# Altium PCB roach2.PcbDoc (part 14 of 39) (continued)
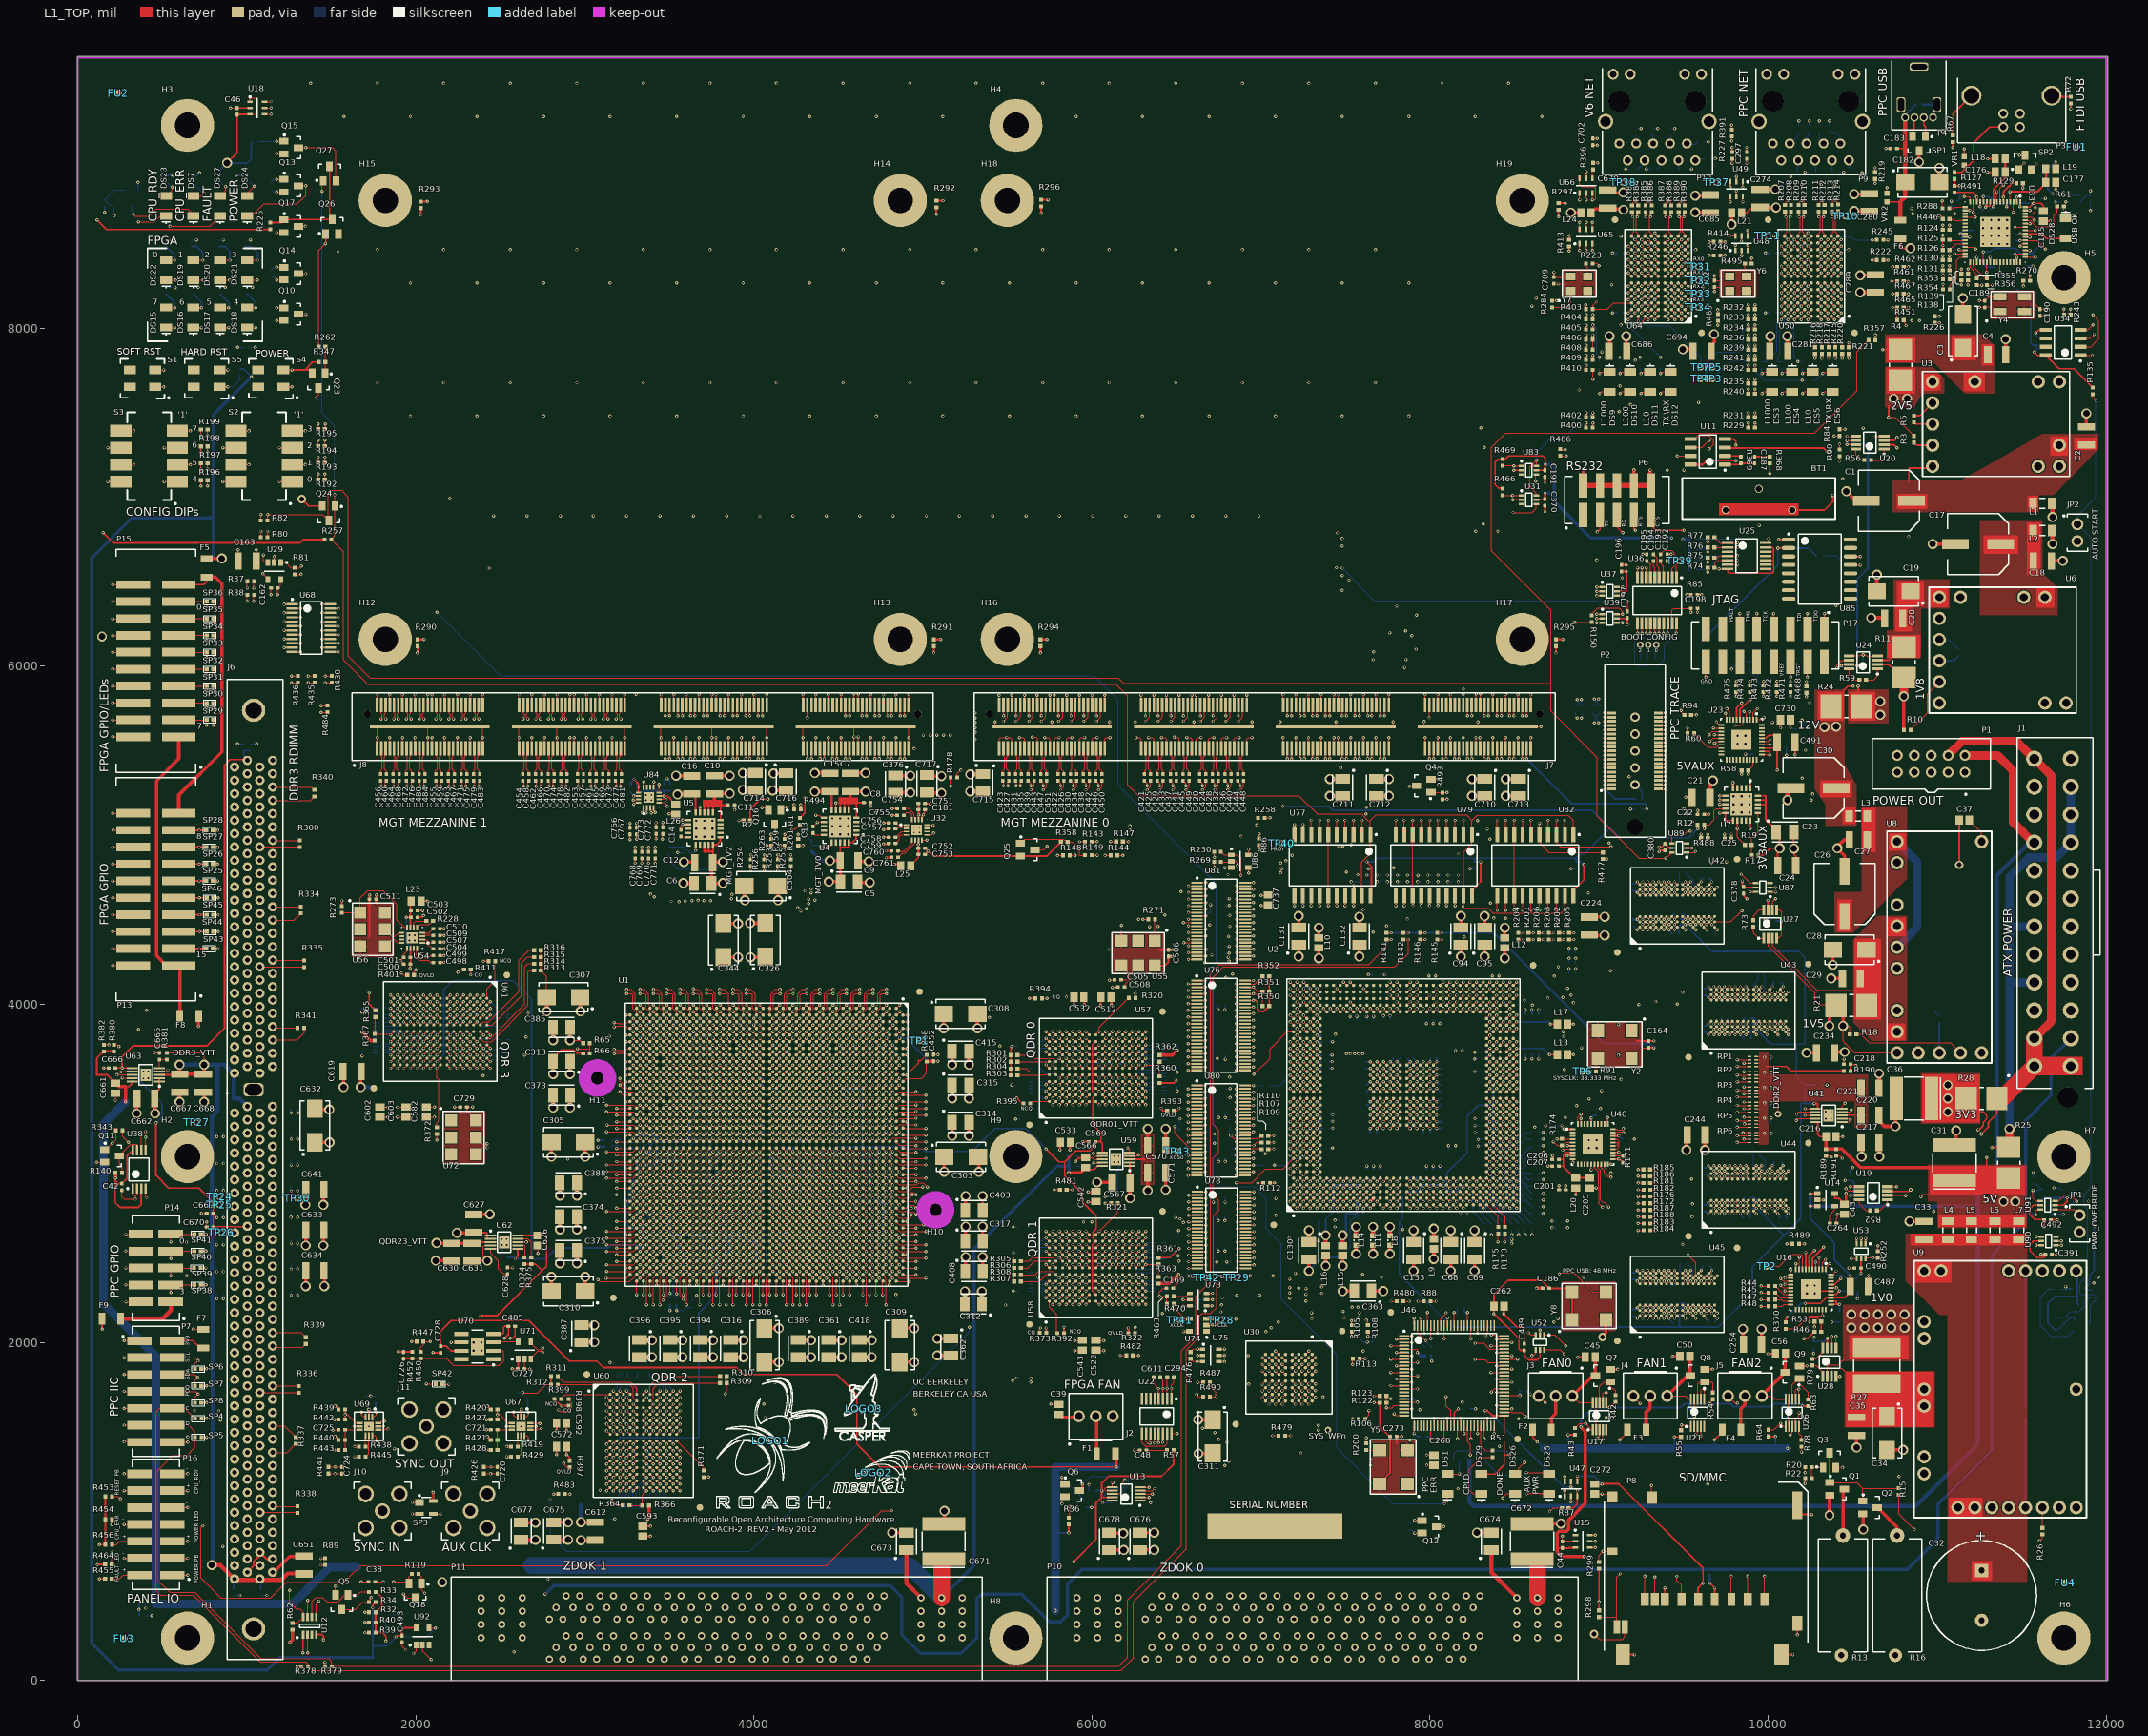
[diagram p0: L1_TOP view]
## Nets (pads, with @x,y where several pads share a name; then routed paths per layer and width w, separated by ;. In a path a pad name is that pad's centre, name@x,y a point inside that pad or via, vN(x,y) a via of type N, cw(c..) or ccw(c..) an arc to the next point about the centre after c; other vN are vias at no path point) (continued)
DDR3.DQ47: J6.216 U1.AY40 | length 3660
  L1_TOP w5: v1(3325.87,2419.72) U1.AY40@3345.56,2439.41
  L9_R w3.8: J6.216@1077.8,1545.35 1082.16,1540.99 1276.99,1540.99 1802.99,2066.99 1898.99,2066.99 ; v1(3325.87,2419.72) 3073.14,2166.99 3044.99,2166.99 2968.99,2090.99 2363.48,2090.99 2359.58,2087.09 2346.41,2087.09 2326.31,2066.99 2314,2066.99 2220.83,2066.99 ccw(c2220.83,2059.19) 2213.03,2059.19 2213.03,2048.81 cw(c2205.22,2048.81) 2205.22,2041.01 cw(c2205.22,2048.81) 2197.42,2048.81 2197.42,2066.99 2197.42,2075.17 ccw(c2189.61,2075.17) 2189.61,2082.98 ccw(c2189.61,2075.17) 2181.81,2075.17 2181.81,2074.8 cw(c2174,2074.8) 2174,2066.99 2045.99,2066.99 ; 1898.99,2066.99 ccw(c1898.99,2071.89) 1903.89,2071.89 ; 1898.99,2066.99 ccw(c1898.99,2071.89) 1903.89,2071.89 ; 1903.89,2071.89 1903.89,2087.11 ; 1903.89,2087.11 cw(c1908.79,2087.11) 1908.79,2092.01 ; 1903.89,2087.11 cw(c1908.79,2087.11) 1908.79,2092.01 ; 1908.79,2092.01 cw(c1908.79,2087.11) 1913.69,2087.11 ; 1908.79,2092.01 cw(c1908.79,2087.11) 1913.69,2087.11 ; 1913.69,2036.87 ccw(c1918.59,2036.87) 1918.59,2031.97 ; 1913.69,2036.87 ccw(c1918.59,2036.87) 1918.59,2031.97 ; 1913.69,2036.87 1913.69,2087.11 ; 1918.59,2031.97 ccw(c1918.59,2036.87) 1923.49,2036.87 1923.49,2087.11 ; 1923.49,2087.11 cw(c1928.39,2087.11) 1928.39,2092.01 ; 1923.49,2087.11 cw(c1928.39,2087.11) 1928.39,2092.01 ; 1928.39,2092.01 cw(c1928.39,2087.11) 1933.29,2087.11 ; 1928.39,2092.01 cw(c1928.39,2087.11) 1933.29,2087.11 ; 1933.29,2036.87 ccw(c1938.19,2036.87) 1938.19,2031.97 ; 1933.29,2036.87 ccw(c1938.19,2036.87) 1938.19,2031.97 ; 1933.29,2036.87 1933.29,2087.11 ; 1938.19,2031.97 ccw(c1938.19,2036.87) 1943.09,2036.87 1943.09,2087.11 ; 1943.09,2087.11 cw(c1947.99,2087.11) 1947.99,2092.01 ; 1943.09,2087.11 cw(c1947.99,2087.11) 1947.99,2092.01 ; 1947.99,2092.01 cw(c1947.99,2087.11) 1952.89,2087.11 ; 1947.99,2092.01 cw(c1947.99,2087.11) 1952.89,2087.11 ; 1952.89,2036.87 ccw(c1957.79,2036.87) 1957.79,2031.97 ; 1952.89,2036.87 ccw(c1957.79,2036.87) 1957.79,2031.97 ; 1952.89,2036.87 1952.89,2087.11 ; 1957.79,2031.97 ccw(c1957.79,2036.87) 1962.69,2036.87 1962.69,2087.11 ; 1962.69,2087.11 cw(c1967.59,2087.11) 1967.59,2092.01 ; 1962.69,2087.11 cw(c1967.59,2087.11) 1967.59,2092.01 ; 1967.59,2092.01 cw(c1967.59,2087.11) 1972.49,2087.11 ; 1967.59,2092.01 cw(c1967.59,2087.11) 1972.49,2087.11 ; 1972.49,2036.87 ccw(c1977.39,2036.87) 1977.39,2031.97 ; 1972.49,2036.87 ccw(c1977.39,2036.87) 1977.39,2031.97 ; 1972.49,2036.87 1972.49,2087.11 ; 1977.39,2031.97 ccw(c1977.39,2036.87) 1982.29,2036.87 1982.29,2087.11 ; 1982.29,2087.11 cw(c1987.19,2087.11) 1987.19,2092.01 ; 1982.29,2087.11 cw(c1987.19,2087.11) 1987.19,2092.01 ; 1987.19,2092.01 cw(c1987.19,2087.11) 1992.09,2087.11 ; 1987.19,2092.01 cw(c1987.19,2087.11) 1992.09,2087.11 ; 1992.09,2036.87 ccw(c1996.99,2036.87) 1996.99,2031.97 ; 1992.09,2036.87 ccw(c1996.99,2036.87) 1996.99,2031.97 ; 1992.09,2036.87 1992.09,2087.11 ; 1996.99,2031.97 ccw(c1996.99,2036.87) 2001.89,2036.87 2001.89,2087.11 ; 2001.89,2087.11 cw(c2006.79,2087.11) 2006.79,2092.01 ; 2001.89,2087.11 cw(c2006.79,2087.11) 2006.79,2092.01 ; 2006.79,2092.01 cw(c2006.79,2087.11) 2011.69,2087.11 ; 2006.79,2092.01 cw(c2006.79,2087.11) 2011.69,2087.11 ; 2011.69,2036.87 ccw(c2016.59,2036.87) 2016.59,2031.97 ; 2011.69,2036.87 ccw(c2016.59,2036.87) 2016.59,2031.97 ; 2011.69,2036.87 2011.69,2087.11 ; 2016.59,2031.97 ccw(c2016.59,2036.87) 2021.49,2036.87 2021.49,2087.11 ; 2021.49,2087.11 cw(c2026.39,2087.11) 2026.39,2092.01 ; 2021.49,2087.11 cw(c2026.39,2087.11) 2026.39,2092.01 ; 2026.39,2092.01 cw(c2026.39,2087.11) 2031.29,2087.11 ; 2026.39,2092.01 cw(c2026.39,2087.11) 2031.29,2087.11 ; 2031.29,2036.87 ccw(c2036.19,2036.87) 2036.19,2031.97 ; 2031.29,2036.87 ccw(c2036.19,2036.87) 2036.19,2031.97 ; 2031.29,2036.87 2031.29,2087.11 ; 2036.19,2031.97 ccw(c2036.19,2036.87) 2041.09,2036.87 2041.09,2062.09 ; 2041.09,2062.09 cw(c2045.99,2062.09) 2045.99,2066.99 ; 2041.09,2062.09 cw(c2045.99,2062.09) 2045.99,2066.99
DDR3.DQ48: J6.99 U1.BA42 | length 3939
  L1_TOP w5: v2(3306.19,2281.93) U1.BA42@3306.19,2360.67
  L3_S w3.8: J6.99@1002.99,1427.24 1045.24,1427.24 1051.15,1433.15 1101.15,1433.15 1132.99,1464.99 1176.99,1464.99 1196.99,1484.99 1196.99,1502.99 1824.99,2130.99 1988.99,2130.99 ; v2(3306.19,2281.93) 3306.19,2228.19 3136.99,2058.99 2664.99,2058.99 2592.99,2130.99 2438,2130.99 2303.22,2130.99 cw(c2303.22,2138.8) 2295.42,2138.8 2295.42,2169.39 ccw(c2287.61,2169.39) 2287.61,2177.19 ccw(c2287.61,2169.39) 2279.81,2169.39 2279.81,2138.8 cw(c2272,2138.8) 2272,2130.99 2226,2130.99 2171.2,2130.99 cw(c2171.2,2136.89) 2165.3,2136.89 2165.3,2157.71 ccw(c2159.4,2157.71) 2159.4,2163.61 ccw(c2159.4,2157.71) 2153.5,2157.71 2153.5,2136.89 cw(c2147.6,2136.89) 2147.6,2130.99 cw(c2147.6,2136.89) 2141.7,2136.89 2141.7,2157.71 ccw(c2135.8,2157.71) 2135.8,2163.61 ccw(c2135.8,2157.71) 2129.9,2157.71 2129.9,2136.89 cw(c2124,2136.89) 2124,2130.99 2106.59,2130.99 ; 1988.99,2130.99 ccw(c1988.99,2135.89) 1993.89,2135.89 ; 1988.99,2130.99 ccw(c1988.99,2135.89) 1993.89,2135.89 ; 1993.89,2135.89 1993.89,2164.93 ; 1993.89,2164.93 cw(c1998.79,2164.93) 1998.79,2169.83 ; 1993.89,2164.93 cw(c1998.79,2164.93) 1998.79,2169.83 ; 1998.79,2169.83 cw(c1998.79,2164.93) 2003.69,2164.93 ; 1998.79,2169.83 cw(c1998.79,2164.93) 2003.69,2164.93 ; 2003.69,2100.85 ccw(c2008.59,2100.85) 2008.59,2095.95 ; 2003.69,2100.85 ccw(c2008.59,2100.85) 2008.59,2095.95 ; 2003.69,2100.85 2003.69,2164.93 ; 2008.59,2095.95 ccw(c2008.59,2100.85) 2013.49,2100.85 2013.49,2164.93 ; 2013.49,2164.93 cw(c2018.39,2164.93) 2018.39,2169.83 ; 2013.49,2164.93 cw(c2018.39,2164.93) 2018.39,2169.83 ; 2018.39,2169.83 cw(c2018.39,2164.93) 2023.29,2164.93 ; 2018.39,2169.83 cw(c2018.39,2164.93) 2023.29,2164.93 ; 2023.29,2100.85 ccw(c2028.19,2100.85) 2028.19,2095.95 ; 2023.29,2100.85 ccw(c2028.19,2100.85) 2028.19,2095.95 ; 2023.29,2100.85 2023.29,2164.93 ; 2028.19,2095.95 ccw(c2028.19,2100.85) 2033.09,2100.85 2033.09,2164.93 ; 2033.09,2164.93 cw(c2037.99,2164.93) 2037.99,2169.83 ; 2033.09,2164.93 cw(c2037.99,2164.93) 2037.99,2169.83 ; 2037.99,2169.83 cw(c2037.99,2164.93) 2042.89,2164.93 ; 2037.99,2169.83 cw(c2037.99,2164.93) 2042.89,2164.93 ; 2042.89,2100.85 ccw(c2047.79,2100.85) 2047.79,2095.95 ; 2042.89,2100.85 ccw(c2047.79,2100.85) 2047.79,2095.95 ; 2042.89,2100.85 2042.89,2164.93 ; 2047.79,2095.95 ccw(c2047.79,2100.85) 2052.69,2100.85 2052.69,2164.93 ; 2052.69,2164.93 cw(c2057.59,2164.93) 2057.59,2169.83 ; 2052.69,2164.93 cw(c2057.59,2164.93) 2057.59,2169.83 ; 2057.59,2169.83 cw(c2057.59,2164.93) 2062.49,2164.93 ; 2057.59,2169.83 cw(c2057.59,2164.93) 2062.49,2164.93 ; 2062.49,2100.85 ccw(c2067.39,2100.85) 2067.39,2095.95 ; 2062.49,2100.85 ccw(c2067.39,2100.85) 2067.39,2095.95 ; 2062.49,2100.85 2062.49,2164.93 ; 2067.39,2095.95 ccw(c2067.39,2100.85) 2072.29,2100.85 2072.29,2164.93 ; 2072.29,2164.93 cw(c2077.19,2164.93) 2077.19,2169.83 ; 2072.29,2164.93 cw(c2077.19,2164.93) 2077.19,2169.83 ; 2077.19,2169.83 cw(c2077.19,2164.93) 2082.09,2164.93 ; 2077.19,2169.83 cw(c2077.19,2164.93) 2082.09,2164.93 ; 2082.09,2100.85 ccw(c2086.99,2100.85) 2086.99,2095.95 ; 2082.09,2100.85 ccw(c2086.99,2100.85) 2086.99,2095.95 ; 2082.09,2100.85 2082.09,2164.93 ; 2086.99,2095.95 ccw(c2086.99,2100.85) 2091.89,2100.85 2091.89,2164.93 ; 2091.89,2164.93 cw(c2096.79,2164.93) 2096.79,2169.83 ; 2091.89,2164.93 cw(c2096.79,2164.93) 2096.79,2169.83 ; 2096.79,2169.83 cw(c2096.79,2164.93) 2101.69,2164.93 ; 2096.79,2169.83 cw(c2096.79,2164.93) 2101.69,2164.93 ; 2101.69,2135.89 ccw(c2106.59,2135.89) 2106.59,2130.99 ; 2101.69,2135.89 ccw(c2106.59,2135.89) 2106.59,2130.99 ; 2101.69,2135.89 2101.69,2164.93
DDR3.DQ49: J6.100 U1.AW41 | length 3940
  L1_TOP w5: v2(3365.24,2222.87) 3365.24,2380.35 U1.AW41@3384.93,2400.04
  L3_S w3.8: J6.100@928.19,1387.87 1030.48,1387.87 1063.94,1421.33 1091.66,1421.33 1119.2,1393.78 1177.78,1393.78 1822.99,2038.99 1862.99,2038.99 ; 1887.49,2038.99 1887.49,2007.08 ; 1907.09,2038.99 1907.09,2007.08 ; v2(3365.24,2222.87) 3107.36,1964.99 2832.99,1964.99 2790.99,2006.99 2622.99,2006.99 2587.98,2042 2239.99,2042 2236.98,2038.99 2194.83,2038.99 ccw(c2194.83,2031.19) 2187.03,2031.19 2187.03,2001.34 cw(c2179.22,2001.34) 2179.22,1993.54 cw(c2179.22,2001.34) 2171.42,2001.34 2171.42,2031.19 ccw(c2163.61,2031.19) 2163.61,2038.99 2155.81,2038.99 2148,2038.99 2073.4,2038.99 ccw(c2073.4,2033.09) 2067.5,2033.09 2067.5,2006.67 cw(c2061.6,2006.67) 2061.6,2000.77 cw(c2061.6,2006.67) 2055.7,2006.67 2055.7,2044.89 ccw(c2049.8,2044.89) 2049.8,2050.79 ccw(c2049.8,2044.89) 2043.9,2044.89 cw(c2038,2044.89) 2038,2038.99 1951.19,2038.99 ; 1862.99,2038.99 ccw(c1862.99,2043.89) 1867.89,2043.89 ; 1862.99,2038.99 ccw(c1862.99,2043.89) 1867.89,2043.89 ; 1867.89,2043.89 1867.89,2070.91 ; 1867.89,2070.91 cw(c1872.79,2070.91) 1872.79,2075.81 ; 1867.89,2070.91 cw(c1872.79,2070.91) 1872.79,2075.81 ; 1872.79,2075.81 cw(c1872.79,2070.91) 1877.69,2070.91 ; 1872.79,2075.81 cw(c1872.79,2070.91) 1877.69,2070.91 ; 1877.69,2007.08 ccw(c1882.59,2007.08) 1882.59,2002.18 ; 1877.69,2007.08 ccw(c1882.59,2007.08) 1882.59,2002.18 ; 1877.69,2007.08 1877.69,2070.91 ; 1882.59,2002.18 ccw(c1882.59,2007.08) 1887.49,2007.08 ; 1887.49,2007.08 1887.49,2070.91 ; 1887.49,2070.91 cw(c1892.39,2070.91) 1892.39,2075.81 ; 1887.49,2070.91 cw(c1892.39,2070.91) 1892.39,2075.81 ; 1892.39,2075.81 cw(c1892.39,2070.91) 1897.29,2070.91 ; 1892.39,2075.81 cw(c1892.39,2070.91) 1897.29,2070.91 ; 1897.29,2007.08 ccw(c1902.19,2007.08) 1902.19,2002.18 ; 1897.29,2007.08 ccw(c1902.19,2007.08) 1902.19,2002.18 ; 1897.29,2007.08 1897.29,2070.91 ; 1902.19,2002.18 ccw(c1902.19,2007.08) 1907.09,2007.08 ; 1907.09,2007.08 1907.09,2070.91 ; 1907.09,2070.91 cw(c1911.99,2070.91) 1911.99,2075.81 ; 1907.09,2070.91 cw(c1911.99,2070.91) 1911.99,2075.81 ; 1911.99,2075.81 cw(c1911.99,2070.91) 1916.89,2070.91 ; 1911.99,2075.81 cw(c1911.99,2070.91) 1916.89,2070.91 ; 1916.89,2007.08 ccw(c1921.79,2007.08) 1921.79,2002.18 ; 1916.89,2007.08 ccw(c1921.79,2007.08) 1921.79,2002.18 ; 1916.89,2007.08 1916.89,2070.91 ; 1921.79,2002.18 ccw(c1921.79,2007.08) 1926.69,2007.08 1926.69,2070.91 ; 1926.69,2070.91 cw(c1931.59,2070.91) 1931.59,2075.81 ; 1926.69,2070.91 cw(c1931.59,2070.91) 1931.59,2075.81 ; 1931.59,2075.81 cw(c1931.59,2070.91) 1936.49,2070.91 ; 1931.59,2075.81 cw(c1931.59,2070.91) 1936.49,2070.91 ; 1936.49,2007.08 ccw(c1941.39,2007.08) 1941.39,2002.18 ; 1936.49,2007.08 ccw(c1941.39,2007.08) 1941.39,2002.18 ; 1936.49,2007.08 1936.49,2070.91 ; 1941.39,2002.18 ccw(c1941.39,2007.08) 1946.29,2007.08 1946.29,2034.09 ; 1946.29,2034.09 cw(c1951.19,2034.09) 1951.19,2038.99 ; 1946.29,2034.09 cw(c1951.19,2034.09) 1951.19,2038.99
DDR3.DQ50: J6.105 U1.AU39 | length 3940
  L1_TOP w5: v1(3443.98,2459.09) U1.AU39@3463.67,2478.78
  L3_S w3.8: J6.105@1002.99,1191.02 1002.99,1202.91 1069.08,1268.99 1106.05,1268.99 1138.74,1236.3 1166.46,1236.3 1186.06,1255.9 1186.06,1256.06 1482.99,1552.99 1488.99,1552.99 1544.99,1608.99 1544.99,1624.99 1808.99,1888.99 1920,1888.99 ccw(c1920,1896.8) 1927.81,1896.8 1927.81,1899.34 cw(c1935.61,1899.34) 1935.61,1907.14 cw(c1935.61,1899.34) 1943.42,1899.34 1943.42,1888.99 1943.42,1875.45 ccw(c1951.22,1875.45) 1951.22,1867.64 ccw(c1951.22,1875.45) 1959.03,1875.45 1959.03,1888.99 1959.03,1899.34 cw(c1966.83,1899.34) 1966.83,1907.14 cw(c1966.83,1899.34) 1974.64,1899.34 1974.64,1888.99 1974.64,1875.45 ccw(c1982.44,1875.45) 1982.44,1867.64 ccw(c1982.44,1875.45) 1990.25,1875.45 1990.25,1881.19 cw(c1998.05,1881.19) 1998.05,1888.99 2004.59,1888.99 ccw(c2004.59,1896.8) 2012.4,1896.8 2012.4,1899.34 cw(c2020.2,1899.34) 2020.2,1907.14 cw(c2020.2,1899.34) 2028.01,1899.34 2028.01,1888.99 2028.01,1875.45 ccw(c2035.81,1875.45) 2035.81,1867.64 ccw(c2035.81,1875.45) 2043.62,1875.45 2043.62,1888.99 2043.62,1899.34 cw(c2051.43,1899.34) 2051.43,1907.14 cw(c2051.43,1899.34) 2059.23,1899.34 2059.23,1888.99 2059.23,1875.45 ccw(c2067.04,1875.45) 2067.04,1867.64 ccw(c2067.04,1875.45) 2074.84,1875.45 2074.84,1888.99 2074.84,1899.34 cw(c2082.65,1899.34) 2082.65,1907.14 cw(c2082.65,1899.34) 2090.45,1899.34 2090.45,1888.99 2090.45,1875.45 ccw(c2098.26,1875.45) 2098.26,1867.64 ccw(c2098.26,1875.45) 2106.06,1875.45 2106.06,1888.99 2106.06,1899.34 cw(c2113.87,1899.34) 2113.87,1907.14 cw(c2113.87,1899.34) 2121.67,1899.34 2121.67,1888.99 2121.67,1875.45 ccw(c2129.48,1875.45) 2129.48,1867.64 ccw(c2129.48,1875.45) 2137.29,1875.45 2137.29,1888.99 2137.29,1899.34 cw(c2145.09,1899.34) 2145.09,1907.14 cw(c2145.09,1899.34) 2152.9,1899.34 2152.9,1888.99 2152.9,1875.45 ccw(c2160.7,1875.45) 2160.7,1867.64 ccw(c2160.7,1875.45) 2168.51,1875.45 2168.51,1888.99 2168.51,1899.34 cw(c2176.31,1899.34) 2176.31,1907.14 cw(c2176.31,1899.34) 2184.12,1899.34 2184.12,1888.99 2184.12,1875.45 ccw(c2191.92,1875.45) 2191.92,1867.64 ccw(c2191.92,1875.45) 2199.73,1875.45 2199.73,1888.99 2199.73,1899.34 cw(c2207.54,1899.34) 2207.54,1907.14 cw(c2207.54,1899.34) 2215.34,1899.34 2215.34,1888.99 2215.34,1875.45 ccw(c2223.15,1875.45) 2223.15,1867.64 ccw(c2223.15,1875.45) 2230.95,1875.45 2230.95,1881.19 cw(c2238.76,1881.19) 2238.76,1888.99 2242.99,1888.99 2250.99,1880.99 2284.99,1880.99 2288.99,1876.99 3098.99,1876.99 3124.99,1902.99 3162.99,1902.99 3478.69,2218.69 3478.69,2274.32 3479.27,2274.89 3479.27,2384.44 3507.12,2412.29 3507.12,2426.18 3519.94,2439 3527,2439 3538.32,2450.32 3538.32,2465.55 3529.18,2474.69 3476.89,2474.69 3461.29,2459.09 v1(3443.98,2459.09)
DDR3.DQ51: J6.106 U1.AL37 | length 3940
  L1_TOP w5: v1(3680.2,2537.83) U1.AL37@3699.89,2557.52
  L3_S w3.8: J6.106@928.19,1151.65 1015.65,1151.65 1050.99,1186.99 1094.99,1186.99 1128.99,1152.99 1200.99,1152.99 1506.99,1458.99 1520.99,1458.99 1536.99,1474.99 1536.99,1492.99 1718.39,1674.39 1718.39,1689.14 1727.53,1698.28 1742.28,1698.28 1824.39,1780.39 1852,1780.39 ccw(c1852,1786.29) 1857.9,1786.29 1857.9,1804.41 cw(c1863.8,1804.41) 1863.8,1810.31 cw(c1863.8,1804.41) 1869.7,1804.41 1869.7,1707.78 ccw(c1875.6,1707.78) 1875.6,1701.88 ccw(c1875.6,1707.78) 1881.5,1707.78 1881.5,1804.41 cw(c1887.4,1804.41) 1887.4,1810.31 cw(c1887.4,1804.41) 1893.3,1804.41 1893.3,1786.29 ccw(c1899.2,1786.29) 1899.2,1780.39 1997,1780.39 ccw(c1997,1788.2) 2004.81,1788.2 cw(c2012.61,1788.2) 2012.61,1796 cw(c2012.61,1788.2) 2020.42,1788.2 2020.42,1780.39 2020.42,1753.76 ccw(c2028.22,1753.76) 2028.22,1745.95 ccw(c2028.22,1753.76) 2036.03,1753.76 2036.03,1772.59 cw(c2043.83,1772.59) 2043.83,1780.39 2309,1780.39 3154.39,1780.39 3336.99,1962.99 3406.99,1962.99 3448.99,2004.99 3448.99,2077.39 3543.99,2172.39 3549.45,2172.39 3558.59,2181.53 3558.59,2298.59 3585.86,2325.86 3585.86,2465.55 3595,2474.69 3606.69,2474.69 3620.99,2488.99 3620.99,2504.99 3632.99,2516.99 3659.36,2516.99 v1(3680.2,2537.83)
DDR3.DQ52: J6.218 U1.AW40 | length 3940
  L1_TOP w5: v1(3365.24,2419.72) U1.AW40@3384.93,2439.41
  L3_S w3.8: J6.218@1077.8,1466.61 1102.99,1491.81 1102.99,1508.99 1138.99,1544.99 1182.99,1544.99 1822.99,2184.99 1842.99,2184.99 ; v1(3365.24,2419.72) 3365.24,2363.24 3330.99,2328.99 3308.99,2328.99 3272.99,2292.99 3272.99,2264.99 3192.99,2184.99 2580,2184.99 2480.22,2184.99 cw(c2480.22,2192.8) 2472.42,2192.8 2472.42,2223.89 ccw(c2464.61,2223.89) 2464.61,2231.69 ccw(c2464.61,2223.89) 2456.81,2223.89 2456.81,2192.8 cw(c2449,2192.8) 2449,2184.99 2320,2184.99 2249.6,2184.99 cw(c2249.6,2190.89) 2243.7,2190.89 2243.7,2235.4 ccw(c2237.8,2235.4) 2237.8,2241.3 ccw(c2237.8,2235.4) 2231.9,2235.4 2231.9,2190.89 cw(c2226,2190.89) 2226,2184.99 1970.39,2184.99 ; 1842.99,2184.99 ccw(c1842.99,2189.89) 1847.89,2189.89 ; 1842.99,2184.99 ccw(c1842.99,2189.89) 1847.89,2189.89 ; 1847.89,2189.89 1847.89,2217.12 ; 1847.89,2217.12 cw(c1852.79,2217.12) 1852.79,2222.02 ; 1847.89,2217.12 cw(c1852.79,2217.12) 1852.79,2222.02 ; 1852.79,2222.02 cw(c1852.79,2217.12) 1857.69,2217.12 ; 1852.79,2222.02 cw(c1852.79,2217.12) 1857.69,2217.12 ; 1857.69,2152.87 ccw(c1862.59,2152.87) 1862.59,2147.97 ; 1857.69,2152.87 ccw(c1862.59,2152.87) 1862.59,2147.97 ; 1857.69,2152.87 1857.69,2217.12 ; 1862.59,2147.97 ccw(c1862.59,2152.87) 1867.49,2152.87 1867.49,2217.12 ; 1867.49,2217.12 cw(c1872.39,2217.12) 1872.39,2222.02 ; 1867.49,2217.12 cw(c1872.39,2217.12) 1872.39,2222.02 ; 1872.39,2222.02 cw(c1872.39,2217.12) 1877.29,2217.12 ; 1872.39,2222.02 cw(c1872.39,2217.12) 1877.29,2217.12 ; 1877.29,2152.87 ccw(c1882.19,2152.87) 1882.19,2147.97 ; 1877.29,2152.87 ccw(c1882.19,2152.87) 1882.19,2147.97 ; 1877.29,2152.87 1877.29,2217.12 ; 1882.19,2147.97 ccw(c1882.19,2152.87) 1887.09,2152.87 1887.09,2217.12 ; 1887.09,2217.12 cw(c1891.99,2217.12) 1891.99,2222.02 ; 1887.09,2217.12 cw(c1891.99,2217.12) 1891.99,2222.02 ; 1891.99,2222.02 cw(c1891.99,2217.12) 1896.89,2217.12 ; 1891.99,2222.02 cw(c1891.99,2217.12) 1896.89,2217.12 ; 1896.89,2152.87 ccw(c1901.79,2152.87) 1901.79,2147.97 ; 1896.89,2152.87 ccw(c1901.79,2152.87) 1901.79,2147.97 ; 1896.89,2152.87 1896.89,2217.12 ; 1901.79,2147.97 ccw(c1901.79,2152.87) 1906.69,2152.87 1906.69,2217.12 ; 1906.69,2217.12 cw(c1911.59,2217.12) 1911.59,2222.02 ; 1906.69,2217.12 cw(c1911.59,2217.12) 1911.59,2222.02 ; 1911.59,2222.02 cw(c1911.59,2217.12) 1916.49,2217.12 ; 1911.59,2222.02 cw(c1911.59,2217.12) 1916.49,2217.12 ; 1916.49,2152.87 ccw(c1921.39,2152.87) 1921.39,2147.97 ; 1916.49,2152.87 ccw(c1921.39,2152.87) 1921.39,2147.97 ; 1916.49,2152.87 1916.49,2217.12 ; 1921.39,2147.97 ccw(c1921.39,2152.87) 1926.29,2152.87 1926.29,2217.12 ; 1926.29,2217.12 cw(c1931.19,2217.12) 1931.19,2222.02 ; 1926.29,2217.12 cw(c1931.19,2217.12) 1931.19,2222.02 ; 1931.19,2222.02 cw(c1931.19,2217.12) 1936.09,2217.12 ; 1931.19,2222.02 cw(c1931.19,2217.12) 1936.09,2217.12 ; 1936.09,2152.87 ccw(c1940.99,2152.87) 1940.99,2147.97 ; 1936.09,2152.87 ccw(c1940.99,2152.87) 1940.99,2147.97 ; 1936.09,2152.87 1936.09,2217.12 ; 1940.99,2147.97 ccw(c1940.99,2152.87) 1945.89,2152.87 1945.89,2217.12 ; 1945.89,2217.12 cw(c1950.79,2217.12) 1950.79,2222.02 ; 1945.89,2217.12 cw(c1950.79,2217.12) 1950.79,2222.02 ; 1950.79,2222.02 cw(c1950.79,2217.12) 1955.69,2217.12 ; 1950.79,2222.02 cw(c1950.79,2217.12) 1955.69,2217.12 ; 1955.69,2152.87 ccw(c1960.59,2152.87) 1960.59,2147.97 ; 1955.69,2152.87 ccw(c1960.59,2152.87) 1960.59,2147.97 ; 1955.69,2152.87 1955.69,2217.12 ; 1960.59,2147.97 ccw(c1960.59,2152.87) 1965.49,2152.87 1965.49,2180.09 ; 1965.49,2180.09 cw(c1970.39,2180.09) 1970.39,2184.99 ; 1965.49,2180.09 cw(c1970.39,2180.09) 1970.39,2184.99
DDR3.DQ53: J6.219 U1.AV40 | length 3940
  L1_TOP w5: v1(3404.61,2419.72) U1.AV40@3424.3,2439.41
  L3_S w3.8: J6.219@1152.6,1427.24 1165.24,1427.24 1196.99,1458.99 1204.99,1458.99 1832.99,2086.99 1952,2086.99 ccw(c1952,2092.89) 1957.9,2092.89 1957.9,2104.81 cw(c1963.8,2104.81) 1963.8,2110.71 cw(c1963.8,2104.81) 1969.7,2104.81 1969.7,2092.89 ccw(c1975.6,2092.89) 1975.6,2086.99 2114.99,2086.99 ; 2149.29,2086.99 2149.29,2054.4 ; 2168.89,2086.99 2168.89,2054.4 ; v1(3404.61,2419.72) 3404.61,2366.61 3364.99,2326.99 3364.99,2254.99 3148.99,2038.99 2638.99,2038.99 2590.99,2086.99 2348.83,2086.99 ccw(c2348.83,2079.19) 2341.03,2079.19 2341.03,2069.28 cw(c2333.22,2069.28) 2333.22,2061.47 cw(c2333.22,2069.28) 2325.42,2069.28 2325.42,2103.72 ccw(c2317.61,2103.72) 2317.61,2111.52 ccw(c2317.61,2103.72) 2309.81,2103.72 2309.81,2094.8 cw(c2302,2094.8) 2302,2086.99 2242.39,2086.99 ; 2114.99,2086.99 ccw(c2114.99,2091.89) 2119.89,2091.89 ; 2114.99,2086.99 ccw(c2114.99,2091.89) 2119.89,2091.89 ; 2119.89,2091.89 2119.89,2115.79 ; 2119.89,2115.79 cw(c2124.79,2115.79) 2124.79,2120.69 ; 2119.89,2115.79 cw(c2124.79,2115.79) 2124.79,2120.69 ; 2124.79,2120.69 cw(c2124.79,2115.79) 2129.69,2115.79 ; 2124.79,2120.69 cw(c2124.79,2115.79) 2129.69,2115.79 ; 2129.69,2054.4 ccw(c2134.59,2054.4) 2134.59,2049.5 ; 2129.69,2054.4 ccw(c2134.59,2054.4) 2134.59,2049.5 ; 2129.69,2054.4 2129.69,2115.79 ; 2134.59,2049.5 ccw(c2134.59,2054.4) 2139.49,2054.4 2139.49,2115.79 ; 2139.49,2115.79 cw(c2144.39,2115.79) 2144.39,2120.69 ; 2139.49,2115.79 cw(c2144.39,2115.79) 2144.39,2120.69 ; 2144.39,2120.69 cw(c2144.39,2115.79) 2149.29,2115.79 ; 2144.39,2120.69 cw(c2144.39,2115.79) 2149.29,2115.79 ; 2149.29,2054.4 ccw(c2154.19,2054.4) 2154.19,2049.5 ; 2149.29,2054.4 ccw(c2154.19,2054.4) 2154.19,2049.5 ; 2149.29,2054.4 2149.29,2115.79 ; 2154.19,2049.5 ccw(c2154.19,2054.4) 2159.09,2054.4 2159.09,2115.79 ; 2159.09,2115.79 cw(c2163.99,2115.79) 2163.99,2120.69 ; 2159.09,2115.79 cw(c2163.99,2115.79) 2163.99,2120.69 ; 2163.99,2120.69 cw(c2163.99,2115.79) 2168.89,2115.79 ; 2163.99,2120.69 cw(c2163.99,2115.79) 2168.89,2115.79 ; 2168.89,2054.4 ccw(c2173.79,2054.4) 2173.79,2049.5 ; 2168.89,2054.4 ccw(c2173.79,2054.4) 2173.79,2049.5 ; 2168.89,2054.4 2168.89,2115.79 ; 2173.79,2049.5 ccw(c2173.79,2054.4) 2178.69,2054.4 2178.69,2115.79 ; 2178.69,2115.79 cw(c2183.59,2115.79) 2183.59,2120.69 ; 2178.69,2115.79 cw(c2183.59,2115.79) 2183.59,2120.69 ; 2183.59,2120.69 cw(c2183.59,2115.79) 2188.49,2115.79 ; 2183.59,2120.69 cw(c2183.59,2115.79) 2188.49,2115.79 ; 2188.49,2054.4 ccw(c2193.39,2054.4) 2193.39,2049.5 ; 2188.49,2054.4 ccw(c2193.39,2054.4) 2193.39,2049.5 ; 2188.49,2054.4 2188.49,2115.79 ; 2193.39,2049.5 ccw(c2193.39,2054.4) 2198.29,2054.4 2198.29,2115.79 ; 2198.29,2115.79 cw(c2203.19,2115.79) 2203.19,2120.69 ; 2198.29,2115.79 cw(c2203.19,2115.79) 2203.19,2120.69 ; 2203.19,2120.69 cw(c2203.19,2115.79) 2208.09,2115.79 ; 2203.19,2120.69 cw(c2203.19,2115.79) 2208.09,2115.79 ; 2208.09,2054.4 ccw(c2212.99,2054.4) 2212.99,2049.5 ; 2208.09,2054.4 ccw(c2212.99,2054.4) 2212.99,2049.5 ; 2208.09,2054.4 2208.09,2115.79 ; 2212.99,2049.5 ccw(c2212.99,2054.4) 2217.89,2054.4 2217.89,2115.79 ; 2217.89,2115.79 cw(c2222.79,2115.79) 2222.79,2120.69 ; 2217.89,2115.79 cw(c2222.79,2115.79) 2222.79,2120.69 ; 2222.79,2120.69 cw(c2222.79,2115.79) 2227.69,2115.79 ; 2222.79,2120.69 cw(c2222.79,2115.79) 2227.69,2115.79 ; 2227.69,2054.4 ccw(c2232.59,2054.4) 2232.59,2049.5 ; 2227.69,2054.4 ccw(c2232.59,2054.4) 2232.59,2049.5 ; 2227.69,2054.4 2227.69,2115.79 ; 2232.59,2049.5 ccw(c2232.59,2054.4) 2237.49,2054.4 2237.49,2082.09 ; 2237.49,2082.09 cw(c2242.39,2082.09) 2242.39,2086.99 ; 2237.49,2082.09 cw(c2242.39,2082.09) 2242.39,2086.99
DDR3.DQ54: J6.224 U1.BB41 | length 3940
  L1_TOP w5: v2(3124.99,2380.99) 3125.63,2380.35 3247.13,2380.35 U1.BB41@3266.82,2400.04
  L3_S w3.8: J6.224@1077.8,1230.39 1081.2,1226.99 1194.99,1226.99 1503.04,1535.04 1503.04,1549.66 1512.18,1558.8 1520.8,1558.8 1821.59,1859.59 1896,1859.59 2062.11,1859.59 cw(c2062.11,1851.79) 2069.92,1851.79 2069.92,1836.78 ccw(c2077.72,1836.78) 2077.72,1828.97 ccw(c2077.72,1836.78) 2085.53,1836.78 2085.53,1851.79 cw(c2093.33,1851.79) 2093.33,1859.59 cw(c2093.33,1851.79) 2101.14,1851.79 2101.14,1836.78 ccw(c2108.95,1836.78) 2108.95,1828.97 ccw(c2108.95,1836.78) 2116.75,1836.78 2116.75,1851.79 cw(c2124.56,1851.79) 2124.56,1859.59 cw(c2124.56,1851.79) 2132.36,1851.79 2132.36,1836.78 ccw(c2140.17,1836.78) 2140.17,1828.97 ccw(c2140.17,1836.78) 2147.97,1836.78 2147.97,1851.79 cw(c2155.78,1851.79) 2155.78,1859.59 cw(c2155.78,1851.79) 2163.58,1851.79 2163.58,1832.18 ccw(c2171.39,1832.18) 2171.39,1824.37 ccw(c2171.39,1832.18) 2179.19,1832.18 2179.19,1851.79 cw(c2187,1851.79) 2187,1859.59 2249.2,1859.59 3149.59,1859.59 3487.44,2197.44 3487.44,2367.13 3522.72,2402.41 3527.48,2402.41 3538.32,2413.26 3538.32,2417 3546.49,2425.17 3546.49,2468.41 3532.41,2482.49 3318.49,2482.49 3216.99,2380.99 v2(3124.99,2380.99)
DDR3.DQ55: J6.225 U1.AN38 | length 3940
  L1_TOP w5: v1(3601.46,2498.46) U1.AN38@3621.15,2518.15
  L3_S w3.8: J6.225@1152.6,1191.02 1190.99,1190.99 1498.99,1498.99 1504.99,1498.99 1567.28,1561.28 1567.28,1579.12 1576.42,1588.25 1594.25,1588.25 1606.99,1600.99 1606.99,1608.99 1817.59,1819.59 1918.8,1819.59 cw(c1918.8,1813.69) 1924.7,1813.69 1924.7,1801.5 ccw(c1930.6,1801.5) 1930.6,1795.6 ccw(c1930.6,1801.5) 1936.5,1801.5 1936.5,1838.48 cw(c1942.4,1838.48) 1942.4,1844.38 cw(c1942.4,1838.48) 1948.3,1838.48 1948.3,1801.5 ccw(c1954.2,1801.5) 1954.2,1795.6 ccw(c1954.2,1801.5) 1960.1,1801.5 1960.1,1813.69 cw(c1966,1813.69) 1966,1819.59 2160.08,1819.59 2164.68,1814.99 2310.99,1814.99 ; 2325.69,1814.99 2325.69,1846.06 ; v1(3601.46,2498.46) 3578.06,2475.06 3578.06,2460.37 3577.69,2460 3577.69,2413.26 3546.12,2381.69 3546.12,2368.12 3518.64,2340.64 3518.64,2181.58 3385.48,2048.42 3374.42,2048.42 3140.99,1814.99 2627,1814.99 2473.83,1814.99 ccw(c2473.83,1807.19) 2466.03,1807.19 2466.03,1797.94 cw(c2458.22,1797.94) 2458.22,1790.13 cw(c2458.22,1797.94) 2450.42,1797.94 2450.42,1814.99 2450.42,1842.05 ccw(c2442.61,1842.05) 2442.61,1849.85 ccw(c2442.61,1842.05) 2434.81,1842.05 2434.81,1822.8 cw(c2427,1822.8) 2427,1814.99 2389.39,1814.99 ; 2310.99,1814.99 ccw(c2310.99,1819.89) 2315.89,1819.89 ; 2310.99,1814.99 ccw(c2310.99,1819.89) 2315.89,1819.89 ; 2315.89,1819.89 2315.89,1846.06 ; 2315.89,1846.06 cw(c2320.79,1846.06) 2320.79,1850.96 ; 2315.89,1846.06 cw(c2320.79,1846.06) 2320.79,1850.96 ; 2320.79,1850.96 cw(c2320.79,1846.06) 2325.69,1846.06 ; 2320.79,1850.96 cw(c2320.79,1846.06) 2325.69,1846.06 ; 2325.69,1793.92 ccw(c2330.59,1793.92) 2330.59,1789.02 ; 2325.69,1793.92 ccw(c2330.59,1793.92) 2330.59,1789.02 ; 2325.69,1793.92 2325.69,1846.06 ; 2330.59,1789.02 ccw(c2330.59,1793.92) 2335.49,1793.92 2335.49,1846.06 ; 2335.49,1846.06 cw(c2340.39,1846.06) 2340.39,1850.96 ; 2335.49,1846.06 cw(c2340.39,1846.06) 2340.39,1850.96 ; 2340.39,1850.96 cw(c2340.39,1846.06) 2345.29,1846.06 ; 2340.39,1850.96 cw(c2340.39,1846.06) 2345.29,1846.06 ; 2345.29,1793.92 ccw(c2350.19,1793.92) 2350.19,1789.02 ; 2345.29,1793.92 ccw(c2350.19,1793.92) 2350.19,1789.02 ; 2345.29,1793.92 2345.29,1846.06 ; 2350.19,1789.02 ccw(c2350.19,1793.92) 2355.09,1793.92 2355.09,1846.06 ; 2355.09,1846.06 cw(c2359.99,1846.06) 2359.99,1850.96 ; 2355.09,1846.06 cw(c2359.99,1846.06) 2359.99,1850.96 ; 2359.99,1850.96 cw(c2359.99,1846.06) 2364.89,1846.06 ; 2359.99,1850.96 cw(c2359.99,1846.06) 2364.89,1846.06 ; 2364.89,1793.92 ccw(c2369.79,1793.92) 2369.79,1789.02 ; 2364.89,1793.92 ccw(c2369.79,1793.92) 2369.79,1789.02 ; 2364.89,1793.92 2364.89,1846.06 ; 2369.79,1789.02 ccw(c2369.79,1793.92) 2374.69,1793.92 2374.69,1846.06 ; 2374.69,1846.06 cw(c2379.59,1846.06) 2379.59,1850.96 ; 2374.69,1846.06 cw(c2379.59,1846.06) 2379.59,1850.96 ; 2379.59,1850.96 cw(c2379.59,1846.06) 2384.49,1846.06 ; 2379.59,1850.96 cw(c2379.59,1846.06) 2384.49,1846.06 ; 2384.49,1819.89 ccw(c2389.39,1819.89) 2389.39,1814.99 ; 2384.49,1819.89 ccw(c2389.39,1819.89) 2389.39,1814.99 ; 2384.49,1819.89 2384.49,1846.06